# Altium PCB batt_ctrl_pcb_v2.3.PcbDoc (continued)
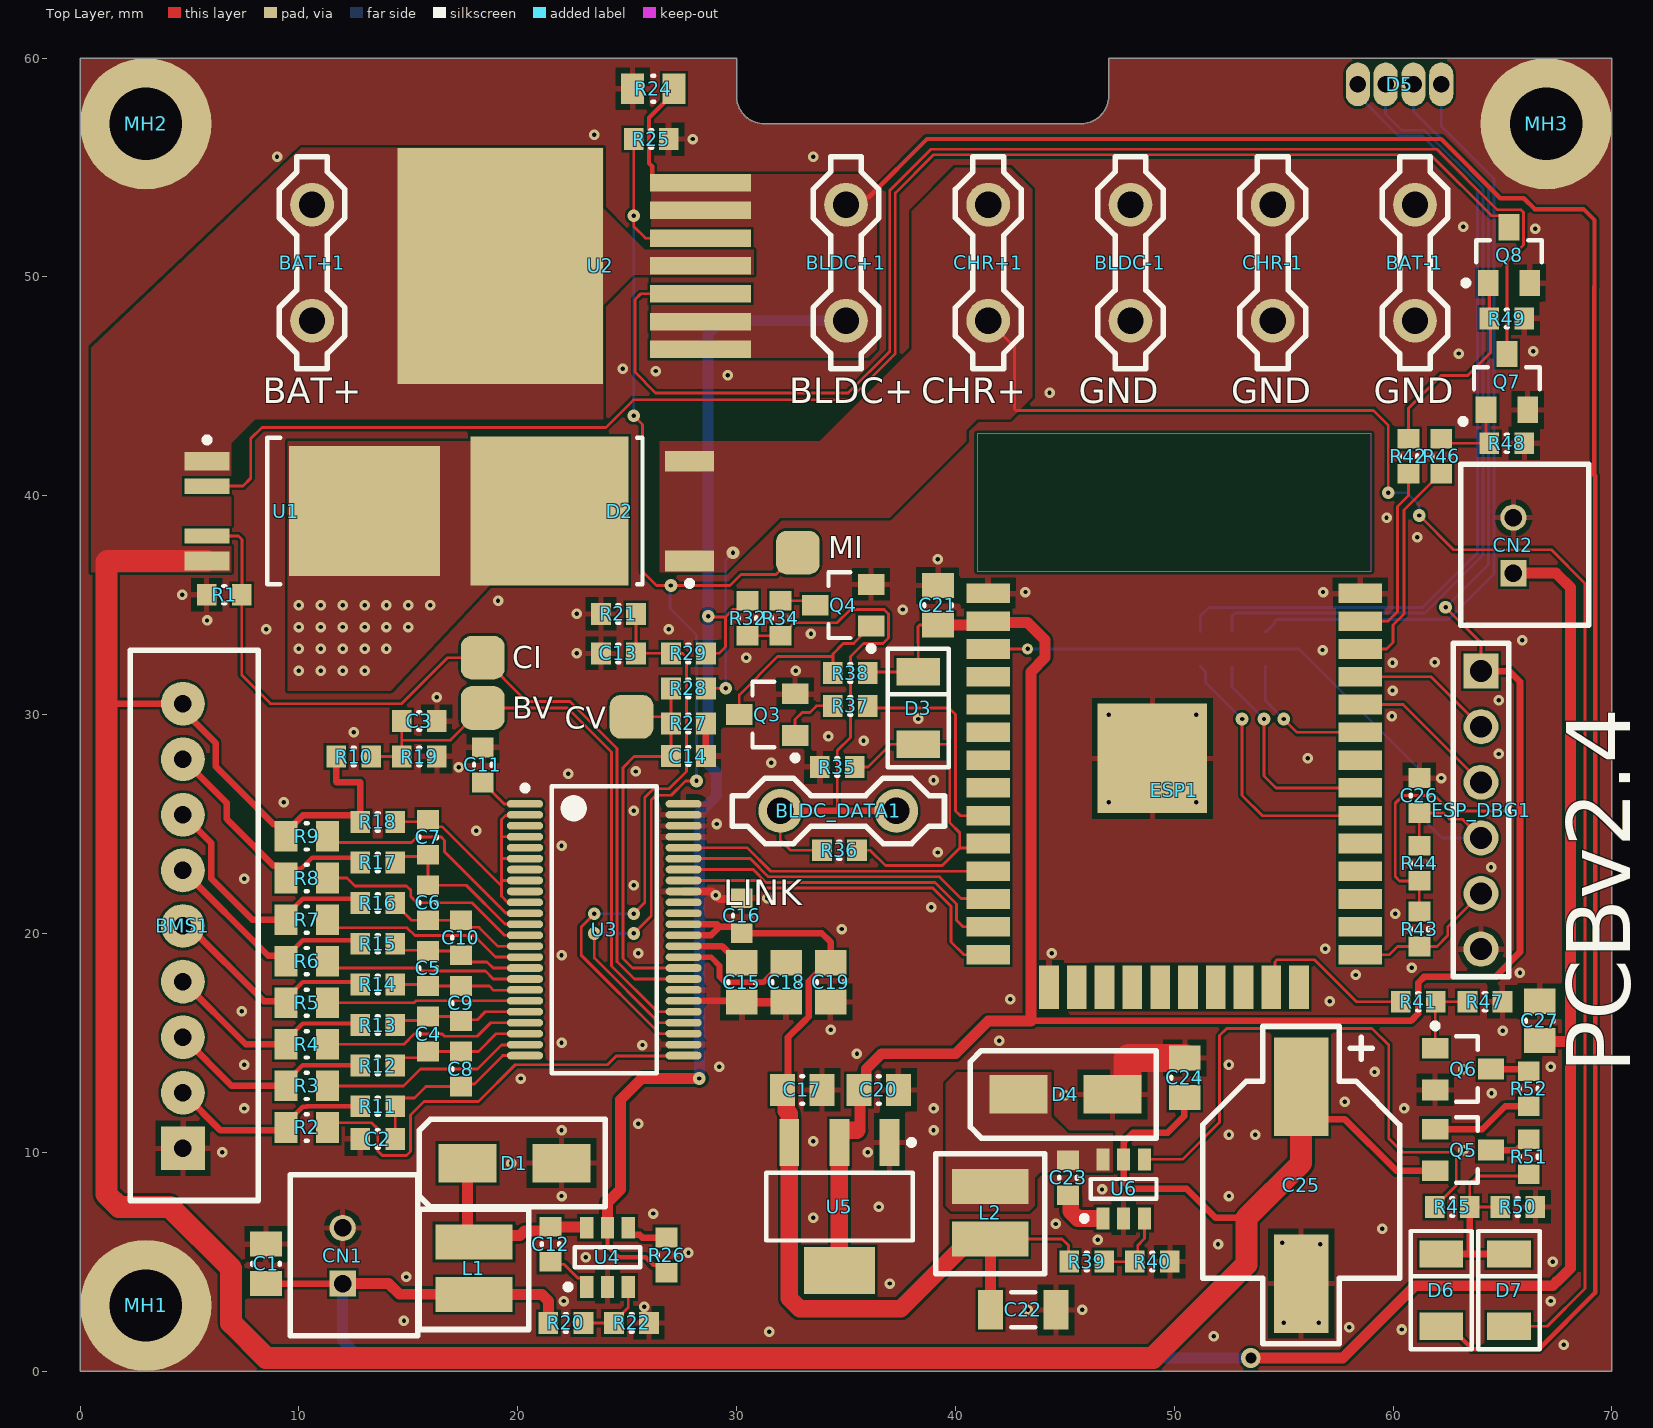
[diagram p0: Top Layer view]
## Footprints (in the part's own frame and the unit in brackets; to place one, negate y for a bottom-side part, rotate by r counter-clockwise, add the part's x,y. Pads: shape width x height; smd on the part's side, far side on the other; paste and mask are expansions set on the pad) (continued)
SMA [mm] "SMA Diode"
  rect 2.65x1.75 smd: A(0,0) K(4.3,0)
  silkscreen extent -2,-2 6.5,2, body extent -0.53,-1.46 4.75,1.46, height 2.41
SOD80 [mm] "Molded Diode, 2-Leads, Body 4,25x2,58mm, IPC Medium Density"
  rect 1.25x2 smd: 1(-1.651,0) 2(1.651,0)
  silkscreen extent -2.7,-1.4 2.7,1.4, body extent -1.84,-0.8 1.86,0.8, height 1.61
SOT23 [mm] "SOT23, 3-Leads, Body 2,90x2,80mm, Pitch 0,95mm, IPC Medium Density"
  rect 1.2x0.95 smd: 1(-1.275,0.95) 2(-1.275,-0.95) 3(1.275,0)
  silkscreen extent -1.4,-1.5 0.67,2.1, body extent -1.13,-1.5 1.13,1.5, height 1.25
SOT23-6 [mm] "SOT23, 6-Leads, Body 2,90x2,80mm, Pitch 0,95mm, IPC Medium Density"
  rect 1x0.6 smd: 1(-1.35,0.95) 2(-1.35,0) 3(-1.35,-0.95) 4(1.35,-0.95) 5(1.35,0) 6(1.35,0.95)
  silkscreen extent -1.47,-1.5 0.45,1.92, body extent -1.4,-1.45 1.4,1.45, height 1.45
SOT229P700X180-4N [mm] "SOT223, 4-Leads, Body 6,50x7,00mm (avg), Pitch 2,29mm, IPC Medium Density"
  rect 2.15x0.9 smd: 1(-2.93,2.29) 2(-2.93,0) 3(-2.93,-2.29)
  rect 2.15x3.25 smd: 4(2.93,0)
  silkscreen extent -3.05,-3.35 1.55,3.42, body extent -3.54,-3.25 3.54,3.25, height 1.65
SSOP48 [mm] "48-Lead Plastic SSOP (5.3mm)"
  oval 1.65x0.35 smd: 1(-3.625,5.75) 2(-3.625,5.25) 3(-3.625,4.75) 4(-3.625,4.25) 5(-3.625,3.75) 6(-3.625,3.25) 7(-3.625,2.75) 8(-3.625,2.25) 9(-3.625,1.75) 10(-3.625,1.25) 11(-3.625,0.75) 12(-3.625,0.25) 13(-3.625,-0.25) 14(-3.625,-0.75) 15(-3.625,-1.25) 16(-3.625,-1.75) 17(-3.625,-2.25) 18(-3.625,-2.75) 19(-3.625,-3.25) 20(-3.625,-3.75) 21(-3.625,-4.25) 22(-3.625,-4.75) 23(-3.625,-5.25) 24(-3.625,-5.75) 25(3.625,-5.75) 26(3.625,-5.25) 27(3.625,-4.75) 28(3.625,-4.25) 29(3.625,-3.75) 30(3.625,-3.25) 31(3.625,-2.75) 32(3.625,-2.25) 33(3.625,-1.75) 34(3.625,-1.25) 35(3.625,-0.75) 36(3.625,-0.25) 37(3.625,0.25) 38(3.625,0.75) 39(3.625,1.25) 40(3.625,1.75) 41(3.625,2.25) 42(3.625,2.75) 43(3.625,3.25) 44(3.625,3.75) 45(3.625,4.25) 46(3.625,4.75) 47(3.625,5.25) 48(3.625,5.75)
  silkscreen extent -3.75,-6.55 2.4,6.6, body extent -3.9,-6.55 3.9,6.55, height 2
"XH2.54 2P" [mm]
  rect 1.2x1.2 hole 0.8: 1(0,0)
  round 1.2 hole 0.8: 2(0,-2.54)
  silkscreen extent -3.44,-4.98 2.4,2.39, body extent -3.35,-4.88 2.49,2.34, height 7.21
"XH2.54 9P" [mm]
  rect 2x2 hole 0.8: 1(0,0)
  round 2 hole 0.8: 2(0,-2.54) 3(0,-5.08) 4(0,-7.62) 5(0,-10.16) 6(0,-12.7) 7(0,-15.24) 8(0,-17.78) 9(0,-20.32)
  silkscreen extent -3.44,-22.76 2.4,2.39, body extent -3.35,-22.66 2.49,2.34, height 7.21

## Part data
BAT+1 BAT-1 BLDC+1 BLDC-1 BLDC_DATA1 CHR+1 CHR-1: "Straight Mount Angle PCB Tab Terminal"
  BAT-1 BLDC-1 CHR-1: ClassName=DirectGND
BMS1: library part "PIN HEADER 2.54 1x9"
C1 C2 C3 C4 C5 C6 C7 C8 C9 C10 C11 C12 C13 C14 C15 C16 C17 C18 C19 C20 C21 C22 C23 C24 C26 C27: library part "Capacitor M", "Ceramic capacitor Medium density"
C25: library part "Capacitor Electrolitic", "Capacitor Electrolitic"
CN1 CN2: library part "PIN HEADER 2.54 1x2", "LIGHT_5V", Parameter 1=LIGHT_5V
D1 D4: "Surface Mount Schottky Barrier Rectifier", Supplier Part Number 1=05R5585, If (av)=1.0A, Ifsm=40A, Supplier 1=Newark, Vf="0.5 ~ 0.75V", Vrrm=40V
D2: library part STPS1045B, "Power schottky rectifier", I=10A, V=45V
D3 D6 D7: "Small Signal Fast Switching Diodes", Average forward current="150 mA", Diode capacitance="4 pF", Forward continuous current="300 mA", Peak forward surge current="2 A", Repetitive peak forward current="500 mA", Repetitive peak reverse voltage="100 V", Reverse voltage="75 V", Supplier Part Number 1=78-MCL4148, Reverse recovery time="4 ~ 8 ns", Supplier 1=Mouser
D5: library part "RGB led"
ESP1: library part ESP32S, "ESP32-WROOM-32 is a powerful, generic Wi-Fi+BT+BLE MCU module"
ESP_DBG1: library part "PIN HEADER 2.54 1x6"
L1 L2: library part Inductor
Q3 Q4 Q6 Q7 Q8: library part 2N3904, "NPN General Purpose Transistor", Collector Current - Continuous=200mA, Collector-Base Voltage=60V, Collector-Emitter Voltage=40V, DC Current Gain=300
Q5: library part 2N3906, "PNP General Purpose Transistor", Collector Current - Continuous=200mA, Collector-Base Voltage=-60V, Collector-Emitter Voltage=-40V, DC Current Gain=300
R1 R2 R3 R4 R5 R6 R7 R8 R9 R10 R11 R12 R13 R14 R15 R16 R17 R18 R19 R20 R21 R22 R24 R25 R26 R27 R28 R29 R32 R34 R35 R36 R37 R38 R39 R40 R41 R42 R43 R44 R45 R46 R47 R48 R49 R50 R51 R52 R53 R54 R55: library part "Resistor M", "Resistor Medium Density"
U1: "PROFET Smart Highside Power Switch, 1 Channel, 10 A Load Current, -40 to 150 degC, PG-TO252-5-11, Reel, Green", Load Current (typ)="10 A", Manufacturer=Infineon, Recommended Operating Voltage Max.="38 V", Recommended Operating Voltage Min.="5.5 V", Channels=1, ComponentLink1Description="Manufacturer URL", ComponentLink1URL=http://www.infineon.com/, ComponentLink2Description=Datasheet, ComponentLink2URL=http://www.infineon.com/dgdl/BTS6143D_DS_v10.pdf?folderId=db3a304314dca389011537739e37155f&fileId=db3a3043183a95550118606a2705368e&location=en.Products.Automotive_ICs.Smart_High-_and_Low-Side_Switches.PROFET__-_Smart_High_Side_Switches.DATASHEET.BTS6143D_D, ComponentLink3Description="Package Specification", ComponentLink3URL=http://www.infineon.com/dgdl/TLE7276-Data+Sheet-+v1_11.pdf?folderId=db3a304412b407950112b408e8c90004&fileId=db3a304412b407950112b436c53f66c8&sId=db3a30433db6f09f013dc0e43c0428c1, DatasheetVersion="Rev. 1.0", Green=TRUE, Group="Automotive Qualified", Halogen-free=TRUE, Mounting Technology="Surface Mount", PackageDescription="5-Pin Plastic (Green) Transistor Single Outline Package, 6.5 x 6.12 mm Body, 1.14 mm Pitch", PackageReference=PG-TO252-5-11, PackageVersion=Nov-10, Packing=Reel, PartNumber=BTS6143D, Ptot (max)="59 W", RON @ 25degreesC="10 mOhm", RON(max) @ 150degreesC="18 mOhm", toff (max)="500 us", ton (max)="500 us"
U2: library part BTS50085-1TMA, "Smart Highside High Current Power Switch", Current sense ratio=13000, Load current (ISO)=44A, On-state resistance="9 mOhm", Operating voltage="5.0 .. 58V", Overvoltage protection=70V, Short circuit current limitation=90A, Output clamp=62V
U3: "The LTC®6804 is a 3rd generation multicell battery stack / monitor that measures up to 12 series connected battery / cells with a total measurement error of less than 1.2mV. The / cell measurement range of 0V to 5V makes the LTC6804 / suitable for most battery chemistries. All 12 cell voltages / can be captured in 290µs, and lower data acquisition rates / can be selected for high noise reduction."
U4 U6: "The ME3116 is PWM DC/DC buck (step-down) regulators.", Frequency=550kHz, FB=0.8V, V in max=45V
U5: library part AMS1117, "800mA LDO  15V max"
MH1 MH2 MH3: ClassName=DirectGND

## Free pads (board coordinates)
  rrect50% 2x2 smd: ""(18.4,30.3) ""(18.4,32.6) ""(25.2,29.9) ""(32.8,37.4)

## Via types
v1: diameter 0.48, hole 0.2, Top Layer to Bottom Layer, 157 vias
v2: diameter 0.58, hole 0.2, Top Layer to Bottom Layer, 18 vias
v3: diameter 0.9, hole 0.5, Top Layer to Bottom Layer, 1 vias
v4: diameter 0.5, hole 0.2, Top Layer to Bottom Layer, 1 vias

## Nets (pads, with @x,y where several pads share a name; then routed paths per layer and width w, separated by ;. In a path a pad name is that pad's centre, name@x,y a point inside that pad or via, vN(x,y) a via of type N, cw(c..) or ccw(c..) an arc to the next point about the centre after c; other vN are vias at no path point)
+5V: C16.1 C17.1 C19.1 C22.1 L2.2 R39.2 U3.36 U3.37 U5.3 | length 44.8
  Top Layer w0.127: L2.2 44.872,6.04 45.162,5.75 45.162,5.038 R39.2
  Top Layer w0.3: U3.36 28.837,19.918 29.219,20.301
  Top Layer w0.305: U3.37 29.102,20.418 29.219,20.301 29.943,20.301 C16.1 33.892,20.008 34.3,19.6 C19.1 34.15,18.66 33.296,17.806 33.296,16.196 33.272,16.172 33.272,16.169 33.109,16.006 33.106,16.006 32.353,15.253 32.353,13.103 C17.1
  Top Layer w0.5: 37.5,2.85 37.5,3 ; L2.2 41.6,6.032 C22.1
  Top Layer w0.8: C17.1 32.275,12.675 32.275,11.902 32.408,11.77 32.408,10.402 32.41,10.4 32.41,3.319 32.879,2.85 37.5,2.85 40.242,5.592 40.242,5.64 40.642,6.04 L2.2
AN0: ESP1.4
AN1: ESP1.5
B\L\D\C\_\E\N\: Q7.3 U2.3 | length 64.3
  Top Layer w0.127: U2.3 25.62,49.23 25.353,48.962 25.353,45.647 26.3,44.7 35.1,44.7 37,46.6 37,53.945 38.892,55.836 62.008,55.836 64.779,53.065 65.854,53.065 65.966,52.954 65.966,51.596 65.965,51.466 65.2,50.7 Q7.3
BALLANCE_IN1: R2.2 U3.25 | length 20.5
  Top Layer w0.127: R2.2 11.518,11.35 13.325,11.35 13.6,11.075 13.6,10.057 13.807,9.85 14.921,9.85 15.1,10.029 15.1,11.7 15.723,12.323 18.211,12.323 19.888,14 24.1,14 24.5,14.4 27.563,14.4 U3.25
BALLANCE_IN2: R3.2 U3.23 | length 9.8
  Top Layer w0.127: R3.2 14.784,13.032 15.552,13.8 18.161,13.8 19.261,14.9 20.313,14.9 U3.23
BALLANCE_IN3: R4.2 U3.21 | length 9.5
  Top Layer w0.127: R4.2 14.789,14.932 15.257,15.4 16.55,15.4 16.65,15.3 18.15,15.3 18.768,15.918 U3.21
BALLANCE_IN4: R5.2 U3.19 | length 9.1
  Top Layer w0.127: R5.2 15.261,16.832 15.347,16.918 U3.19
BALLANCE_IN5: R6.2 U3.17 | length 9.4
  Top Layer w0.127: R6.2 11.611,18.421 15.408,18.421 15.552,18.277 18.523,18.277 18.882,17.918 U3.17
BALLANCE_IN6: R7.2 U3.15 | length 9.7
  Top Layer w0.127: R7.2 11.677,20.256 14.944,20.256 15.3,19.9 18,19.9 18.982,18.918 U3.15
BALLANCE_IN7: R8.2 U3.13 | length 10.3
  Top Layer w0.127: R8.2 12.201,22.532 12.561,22.173 14.922,22.173 15.108,21.987 15.108,21.682 15.391,21.4 17.909,21.4 19.391,19.918 U3.13
BALLANCE_IN8: R9.2 U3.11 | length 11
  Top Layer w0.127: R9.2 11.577,24.155 15.146,24.155 15.391,24.4 16.505,24.4 16.654,24.251 16.654,23.733 19.45,20.936 20.313,20.936 U3.11
BAT_SUP: BAT+1.1 BMS1.9 C11.1 C24.2 C25.+ Q5.2 R9.1 R10.2 R18.1 U1.1 U1.5 U2.4 U2.8 U3.1 U6.5 | length 148.5
  Top Layer w0.127: 12.8,26.897 12.803,26.9 ; C11.1 18.45,26.9 18.837,26.514 18.837,26.464 19.382,25.918 U3.1
  Top Layer w0.3: 1.2,30.2 1.5,30.5 BMS1.9 4.7,30.2 6.2,28.7 6.2,27.632 8.85,24.982 9.025,24.982 R9.1@9.4,24.607 ; R9.1 R9.1@9.4,24.607 ; R10.2 11.7,26.924 11.724,26.9 12.803,26.9 ; R18.1 R18.1@12.8,25.109 ; 12.8,26.897 R18.1@12.8,25.109 ; 27.2,0.634 27.234,0.6 ; 30.133,0.6 30.15,0.617 ; C24.2 50.456,12.48 50.456,11.656 49.7,10.9 48.128,10.9 47.688,10.46 U6.5 47.688,8.625 47.987,8.326 50.574,8.326 51.9,7 53.3,7 ; C25.+@55.8,12.3 56.6,11.5 57.8,11.5 60.15,9.15 Q5.2 ; R9.1@9.4,24.607 10.202,25.409 12.5,25.409 R18.1@12.8,25.109
  Top Layer w1: U1.5 1.244,37.02 1.2,36.976 1.2,30.2 1.2,8.086 1.786,7.5 4.1,7.5 6.9,4.7 6.9,2.2 8.5,0.6 27.234,0.6 30.133,0.6 49.025,0.6 53.3,4.875 53.3,7 55.8,9.5 55.8,12.3 C25.+ ; U2.8@15.2,46.5 U2.8
BATT_MEAS: C3.1 pad.@18.4,30.3 R10.1 R19.2 U3.29 | length 28.6
  Top Layer w0.127: R10.1 R19.2 14.7,28.83 ; C3.1@15.087,30.137 14.7,29.75 C3.1 14.7,28.83 ; U3.29 26.382,16.418 24.286,18.514 24.286,28.286 22.272,30.3 18.4,30.3 16.93,28.83 14.7,28.83
BLDC_EN: ESP1.36 R46.1 | length 10.3
  Top Layer w0.127: ESP1.36 59.7,33 60,33.3 60,34.1 60.5,34.6 60.5,39.35 62.15,41 R46.1
BLDC_I_MEAS: pad.@32.8,37.4 R25.2 U2.5 U3.28 | length 58.1
  Top Layer w0.127: v2@23.5,19.9 23.5,18.875 26.457,15.918 U3.28 ; v2(25.3,20) 26.1,20.8 26.1,26.1 26.316,26.316 27.016,26.316 27.668,26.968 v2(28.167,26.968) ; v2(25.3,43.651) 25.7,43.251 25.7,36.536 26.336,35.9 v2(27,35.9) 29.7,35.9 30.2,36.4 31.8,36.4 pad.@32.8,37.4 ; R25.2 v2(25.3,52.796) 25.3,52.3 25.83,51.77 U2.5
  Bottom Layer w0.127: v2(23.5,20) v2(25.3,20) ; v2(25.3,43.651) v2(25.3,52.796) ; v2(27,35.9) 26.957,35.857 26.957,34.843 28.167,33.633 v2(28.167,26.968)
BLDC_MEAS: C13.1 R21.2 R29.1 U3.27 | length 27.4
  Top Layer w0.127: v2(23.5,20.9) 22.9,20.3 22.9,19 26.482,15.418 U3.27 ; v2(25.3,20.9) 25.8,21.4 25.8,26.2 26.209,26.609 26.92,26.609 27.705,27.395 27.705,32.623 27.529,32.8 R29.1 C13.1 R21.2
  Bottom Layer w0.127: v2(23.5,20.9) v2(25.3,20.9)
BLDC_POS: BLDC+1.1 D6.1 R24.2 R26.2 R29.2 R32.2 U2.1 U2.2 U2.6 U2.7 U4.5 | length 161.1
  Top Layer w0.127: R29.2 29.2,32.8 29.496,33.096 29.496,34.46 ; v2(28.7,34.5) 28.74,34.46 29.496,34.46 ; R32.2 30.113,34.813 29.85,34.813 29.496,34.46
  Top Layer w0.2: U4.5 24.1,5.7 24.6,5.2 25.85,5.2 26.2,4.85 26.45,4.85 R26.2 ; R24.2 27.15,58.425 26,57.275 26,55.2 26.15,55.05 26.15,54.61 26.45,54.31 U2.7 ; BLDC+1.1@35,53.3 35.344,53.644 36.044,53.644 38.7,56.3 62.2,56.3 64.902,53.598 65.977,53.598 66.475,53.1 68.7,53.1 69.203,52.597 69.203,49.579 ccw(c69.4,49.546) 69.2,49.546 69.2,40.943 69.236,40.907 69.236,3.585 66.652,1 63.624,1 62.575,2.049 D6.1
  Top Layer w0.5: U4.5 24.1,7.7 24.7,8.3 24.7,12.4 25.668,13.368 v2(28.3,13.368)
  Bottom Layer w0.5: v2(28.3,13.368) 28.3,25.5 29.09,26.29 29.09,27.35 28.7,27.74 v2(28.7,34.5) 28.7,47.4 29.3,48 BLDC+1.1@35,48
BLUE_LED_C: D5.BC R55.1 | length 38.9
  Bottom Layer w0.127: R55.1 51.188,34.5 51.579,34.891 61.352,34.891 63.855,37.393 63.855,53.927 61.345,56.437 60.253,56.437 58.39,58.3 D5.BC
BLUE_LED_OD: ESP1.30 R55.2 | length 12.5
  Top Layer w0.127: v2(53.1,29.8) 53.1,26.3 54.02,25.38 ESP1.30
  Bottom Layer w0.127: R55.2 51.431,31.958 51.431,31.469 v2(53.1,29.8)
BOOT: ESP1.25 ESP_DBG1.5 R43.2 | length 6.9
  Top Layer w0.127: ESP1.25 59.83,19.03 60.2,19.4 R43.2 62,19.4 62.494,19.894 62.494,20.3 ESP_DBG1.5
BS_1: C12.1 U4.1 | length 2.2
  Top Layer w0.127: C12.1 21.616,4.884 22.116,4.884 22.742,4.258 22.914,4.258 23.15,4.021 U4.1
BS_2: C23.1 U6.1 | length 2.1
  Top Layer w0.762: C23.1 45.198,8.034 45.267,7.965 45.267,7.303 45.594,6.976 46.418,6.976
C1: BMS1.2 R2.1 R11.1 | length 9.4
  Top Layer w0.2: R2.1 9.4,11.307 10.175,12.082 10.35,12.082 10.368,12.1 R11.1
  Top Layer w0.3: BMS1.2 6.42,11 9.268,11 R2.1
C2: BMS1.3 R3.1 R12.1 | length 9.5
  Top Layer w0.2: R3.1 9.4,13.207 10.175,13.982 12.775,13.982 R12.1
  Top Layer w0.3: BMS1.3 6.928,13.032 R3.1
C3: BMS1.4 R4.1 R13.1 | length 9.8
  Top Layer w0.2: R4.1 9.4,15.107 10.175,15.882 12.732,15.882 R13.1
  Top Layer w0.3: BMS1.4 7.568,14.932 R4.1
C4: BMS1.5 R5.1 R14.1 | length 10.1
  Top Layer w0.2: R5.1 9.4,17.007 10.175,17.782 12.689,17.782 R14.1
  Top Layer w0.3: BMS1.5 4.96,20.34 8.4,16.9 9.332,16.9 R5.1
C5: BMS1.6 R6.1 R15.1 | length 10.3
  Top Layer w0.2: R6.1@9.4,18.907 10.175,19.682 12.646,19.682 R15.1
  Top Layer w0.3: BMS1.6 8.601,18.979 9.328,18.979 9.4,18.907 R6.1
C6: BMS1.7 R7.1 R16.1 | length 11.6
  Top Layer w0.2: R7.1 9.4,20.807 10.175,21.582 12.604,21.582 R16.1
  Top Layer w0.3: BMS1.7 6,24.12 6,22.5 7.868,20.632 R7.1
C7: BMS1.8 R8.1 R17.1 | length 11.4
  Top Layer w0.2: R8.1 9.4,22.54 9.825,22.965 10.108,22.965 10.602,23.459 12.584,23.459 R17.1
  Top Layer w0.3: BMS1.8 6.7,25.96 6.7,25.232 8.85,23.082 9.025,23.082 9.4,22.707 R8.1
CELL_INPUT1: C2.1 C8.2 R11.2 U3.24 | length 8.4
  Top Layer w0.127: C2.1 R11.2 14.4,12.15 14.723,12.473 15.273,12.473 15.8,13 C8.2 17.516,13.116 18.016,13.116 19.318,14.418 U3.24
CELL_INPUT2: C4.2 C8.1 R12.2 U3.22 | length 6.6
  Top Layer w0.127: R12.2 14.4,13.997 14.723,14.32 15.62,14.32 C4.2 C8.1 18.2,14.6 19.018,15.418 U3.22
CELL_INPUT3: C4.1 C9.2 R13.2 U3.20 | length 6.3
  Top Layer w0.127: R13.2 14.61,16.024 15.724,16.024 C4.1 17.2,16.2 C9.2 17.452,16.052 18.15,16.052 18.516,16.418 U3.20
CELL_INPUT4: C5.2 C9.1 R14.2 U3.18 | length 6.1
  Top Layer w0.127: R14.2 15.829,17.671 C5.2 C9.1 18.7,17.6 18.9,17.4 20.313,17.4 U3.18
CELL_INPUT5: C5.1 C10.2 R15.2 U3.16 | length 6.4
  Top Layer w0.127: R15.2 14.7,19.228 15.871,19.228 C5.1 17.2,19.2 17.7,18.7 18.601,18.7 18.883,18.418 U3.16
CELL_INPUT6: C6.2 C10.1 R16.2 U3.14 | length 6.8
  Top Layer w0.127: R16.2 14.4,21.336 15.136,20.6 C6.2 C10.1 17.723,20.277 18.223,20.277 19.082,19.418 U3.14
CELL_INPUT7: C6.1 C7.2 R17.2 U3.12 | length 8.2
  Top Layer w0.127: R17.2 14.723,23.511 15.527,23.511 C7.2 C6.1 17.648,22.2 19.412,20.436 20.313,20.436 U3.12
CELL_INPUT8: C7.1 R18.2 U3.2 U3.4 U3.6 U3.8 U3.10 | length 15.2
  Top Layer w0.127: R18.2 15.8,25.1 C7.1 16.223,24.877 16.54,24.877 19.256,22.161 ; U3.10 20.313,21.436 19.522,21.436 19.256,21.703 19.256,22.161 ; U3.8 19.256,22.418 ; U3.6 19.256,23.418 ; U3.4 19.256,24.418 ; U3.2 20.303,25.39 19.446,25.39 19.256,25.199 19.256,24.418 ; 19.256,22.161 19.256,22.418 ; 19.256,22.418 19.256,23.418 ; 19.256,23.418 19.256,24.418
CHR_EN: ESP1.37 R42.1 | length 8.4
  Top Layer w0.127: ESP1.37 59.77,34.27 60.2,34.7 60.2,39.511 60.7,40.011 R42.1
CHR_I_MEAS: pad.@18.4,32.6 R1.2 U1.4 U3.32 | length 41.3
  Top Layer w0.127: U1.4 7.24,38.16 7.4,38 7.4,35.49 R1.2 7.385,31.815 8.7,30.5 14.7,30.5 16.8,32.6 18.4,32.6 20.397,30.603 22.393,30.603 24.54,28.456 24.54,18.71 25.332,17.918 U3.32
CHR_MEAS: C14.1 pad.@25.2,29.9 R27.2 R28.1 U3.33 | length 18.5
  Top Layer w0.127: pad.@25.2,29.9 R27.2@26.55,29.9 ; R28.1 27,30.35 R27.2 C14.1 26.981,28.081 25.319,28.081 24.808,27.571 24.808,18.852 25.242,18.418 U3.33
CHR_POS: CHR+1.1 D2.1 D2.3 D7.1 R28.2 | length 79.6
  Top Layer w0.127: R28.2 v2(29.5,31.2) ; CHR+1.1@41.5,48 42.7,46.8 42.7,43.974 42.774,43.9 59.1,43.9 59.783,43.217 v2(59.783,40.133) ; v2(61.2,39.1) 62.766,37.534 67.234,37.534 68.773,35.995 68.773,3.777 67.045,2.049 D7.1
  Bottom Layer w0.127: v2(29.5,31.2) 29.5,37.055 29.834,37.389 v2(29.834,37.4) ; v2(59.783,40.133) 60.64,40.133 61.2,39.573 v2(61.2,39.1)
CHR_SUP: D2.2 U1.3
  other v1: 10,32 11,32 12,32 13,32 10,33 11,33 12,33 13,33 14,33 10,34 11,34 12,34 13,34 14,34 15,34 10,35 11,35 12,35 13,35 14,35 15,35 16,35
COM_EN: D6.2 D7.2 R45.2 R50.1 R51.1 | length 10.8
  Top Layer w0.127: R50.1 R45.2 63.5,8.538 63.875,8.913 66.112,8.913 R51.1
  Top Layer w0.3: D6.2@62.063,5.214 D6.2 63.6,5.351 ; R45.2 63.5,5.451 63.6,5.351 ; D7.2 63.6,5.351
DATABUS: BLDC_DATA1.1 R32.1 R34.2 R36.2 | length 26.3
  Top Layer w0.127: R32.1 R34.2 32.05,33.6 32.65,34.2 34.6,34.2 35.2,34.8 36.744,34.8 36.941,34.604 36.941,33.496 36.694,33.25 35.8,33.25 35.2,32.65 35.2,28.95 34.6,28.35 34.6,25.65 34.65,25.6 ; BLDC_DATA1.1@32,25.6 32,24.268 32.468,23.8 R36.2
  Top Layer w0.3: BLDC_DATA1.1@32,25.6 34.65,25.6 BLDC_DATA1.1@37.3,25.6
DCDC_EN: ESP1.23 R41.1 | length 7.8
  Top Layer w0.127: ESP1.23 54.6,17.705 54.6,18.7 54.7,18.8 56.4,18.8 58.324,16.876 R41.1
DTR: C26.1 ESP1.3 ESP_DBG1.4 R44.2 | length 32.1
  Top Layer w0.127: ESP1.3 v4(43.3,33) ; R44.2 C26.1 62.3,25.5 62.58,25.22 63.162,25.22 ESP_DBG1.4
  Bottom Layer w0.127: v4(43.3,33) 55.7,33 61.3,27.4 61.3,25.3 62.236,24.364 ESP_DBG1.4
EN_1: R26.1 U4.4 | length 2
  Top Layer w0.3: U4.4 25.05,6.382 25.2,6.232 25.568,6.232 25.7,6.1 R26.1
EN_2: R45.1 U6.4 | length 26.7
  Top Layer w0.127: U6.4 50.376,9.676 52.069,11.369 52.069,15.329 52.4,15.659 59.041,15.659 59.8,14.9 59.8,10.631 60.431,10 62.664,10 62.889,9.776 62.889,8.489 62.336,7.937 62.287,7.937 61.9,7.55 R45.1
FB_1: R20.1 R22.2 U4.3 | length 3.3
  Top Layer w0.127: R20.1 R22.2 24.4,2.25 25.05,2.9 U4.3
FB_2: R39.1 R40.2 U6.3 | length 3.6
  Top Layer w0.127: R39.1 R40.2 48.335,5.135 48.335,5.75 48.638,6.053 U6.3
GND: BAT-1.1 BLDC-1.1 BMS1.1 C1.2 C2.2 C3.2 C11.2 C13.2 C14.2 C15.2 C16.2 C17.2 C18.2 C19.2 C20.2 C21.2 C22.2 C24.1 C25.- C26.2 C27.2 CHR-1.1 CN1.2 CN2.2 D1.A D4.A ESP1.1 ESP1.15 ESP1.38 ESP1.39 ESP_DBG1.6 MH1.1 MH2.1 MH3.1 Q3.2 Q4.2 Q6.2 Q7.2 Q8.2 R1.1 R19.1 R21.1 R22.1 R24.1 R25.1 R27.1 R35.1 R40.1 R47.1 R48.1 R49.1 R50.2 U3.26 U3.30 U3.31 U3.40 U3.45 U3.46 U3.47 U3.48 U4.2 U5.1 U6.2 | length 14.6
  Top Layer w0.3: v1(25.789,2.936) 25.789,2.411 R22.1 ; U3.30 C15.2@30.178,16.918 ; C14.2 R27.1
  Top Layer w0.381: U3.40 28.872,21.918 29.22,21.57 30.198,21.57 C16.2 ; C15.2@30.178,16.918 C15.2 C18.2
  Top Layer w1.27: D4.A 47.63,12.644 47.87,12.884 47.87,14.252 47.924,14.306 C24.1
  other v1: 67.8,1.2 51.8,1.6 31.5,1.8 60.4,1.9 58,2 55,2.2 56.6,2.2 14.8,2.3 43.314,2.8 45.8,2.8 22.1,3.2 67.2,3.2 37,4 14.9,4.3 67.3,5 23.1,5.2 27.8,5.4 52,5.8 56.667,5.8 54.933,5.859 46.5,6 59.5,6.5 44.585,6.721 33.5,7 26.2,7.2 36.5,7.5 22,8 52.5,8 46.7,8.3 19.7,9.5 6.5,10 36,10 63.2,10.1 33.5,10.5 52.5,10.8 53.7,10.8 22,11 39,11 25.5,11.3 7.5,12 39,12 60.5,12 57.8,12.3 45,12.6 64.5,12.7 20.14,13.368 59.152,13.668 63.2,13.8 29.2,13.9 67.2,13.9 7.5,14 52.5,14 35.5,14.5 25.7,14.9 22,15 42,15.1 65.018,15.55 34.3,15.6 7.386,16.443 57.1,16.9 42.5,17 58.3,18.1 65.8,18.2 60.85,18.425 22,19 25.5,19.1 44.4,19.1 56.9,19.3 34.8,20.2 60.1,20.9 38.9,21.2 31.4,21.6 29.046,21.744 25.3,22.2 7.5,22.5 64.475,23.025 39.2,23.7 22,24 18.1,24.7 29.1,25 25.3,25.6 9.3,26 47,26 51,26 39,27 62.2,27.1 22.3,27.3 25.4,27.4 17.3,27.59 31.589,27.801 56.1,28 64.825,28.2 35.8,28.8 34.2,29 12.5,29.2 38.3,29.8 59.95,29.925 47,30 51,30 64.825,30.65 16.3,30.8 59.975,31.1 32.7,32 59.975,32.375 61.9,32.4 30.438,32.6 22.7,32.8 56.775,32.95 65.9,33.4 33.4,33.7 8.5,33.9 26.895,33.9 5.8,34.3 22.7,34.6 37.6,34.8 19.1,35.2 4.672,35.475 43.2,35.6 56.8,35.6 39.2,37.1 61.1,38.1 59.7,39 44.3,44.7 29.6,45.5 26.3,45.7 24.8,45.8 63,46.5 66.4,46.6 66.5,52.2 63.2,52.3 9,55.5 33.5,55.5 28,56.3 23.5,56.5
GRED_LED_OD: ESP1.31 R54.2 | length 10.2
  Top Layer w0.127: v2(54.1,29.8) 54.1,27.2 54.65,26.65 ESP1.31
  Bottom Layer w0.127: R54.2 52.64,31.26 v2(54.1,29.8)
GREEN_LED_C: D5.GC R54.1 | length 37.3
  Bottom Layer w0.127: R54.1 52.64,34.5 52.777,34.637 61.457,34.637 64.109,37.288 64.109,54.032 61.441,56.7 60.4,56.7 59.66,57.44 D5.GC
I34: ESP1.6
I35: ESP1.7
IO2: ESP1.24
IO4: ESP1.26
IO5: ESP1.29
IO6: ESP1.20
IO7: ESP1.21
IO8: ESP1.22
IO9: ESP1.17
IO10: ESP1.18
IO11: ESP1.19
IO13: ESP1.16
IO16: ESP1.27
IO17: ESP1.28
IO32: ESP1.8
LIGHT_5V: C1.1 C27.1 CN1.1 CN2.1 L1.2 R20.2 | length 110.3
  Top Layer w0.3: C1.1 CN1.1
  Top Layer w0.5: CN1.1 14.1,4 14.591,3.509 17.991,3.509 L1.2 21.1,3.5 21.4,3.2 R20.2 ; v3(53.5,0.6) 57.7,0.6 61,3.9 67.292,3.9 67.477,4.085 67.485,4.085 68.1,4.7 68.1,15.069 ; CN2.1 67.44,36.46 68.1,35.8 68.1,15.069 ; C27.1 66.731,15.069 68.1,15.069
  Bottom Layer w0.5: CN1.1 12,1.404 12.804,0.6 v3(53.5,0.6)
NetQ5_1: Q5.1 R52.1 | length 4.7
  Top Layer w0.3: Q5.1 64.073,11.05 65.123,12.1 R52.1
NetQ5_3: Q5.3 R51.2 | length 1.9
  Top Layer w0.3: Q5.3 65.65,10.1 66.15,10.6 R51.2
NetQ6_1: Q6.1 R41.2 R47.2 | length 3.6
  Top Layer w0.127: Q6.1 61.925,16.851 R41.2 R47.2
NetQ6_3: Q6.3 R52.2 | length 1.8
  Top Layer w0.3: Q6.3 66.1,13.8 R52.2
NetQ7_1: Q7.1 R46.2 R48.2 | length 3.9
  Top Layer w0.127: R46.2 62.4,42.4 R48.2 64.25,42.55 Q7.1
NetQ8_1: Q8.1 R42.2 R49.2 | length 9.5
  Top Layer w0.127: R42.2 60.7,44 62.2,45.5 63.413,45.5 64.45,46.537 64.45,48.05 R49.2 64.4,49.675 Q8.1 ; Q8.1@64.7,49.625 Q8.1@64.7,49.7
NetQ8_3: Q8.3 U1.2 | length 72.4
  Top Layer w0.127: U1.2 7.44,40.44 7.8,40.8 7.8,42.614 8.311,43.125 24.025,43.125 25.283,44.383 35.142,44.383 37.254,46.495 37.254,53.839 38.997,55.582 61.718,55.582 64.5,52.8 65.075,52.8 Q8.3@65.3,52.575
RED_LED_C: D5.RC R53.1 | length 35
  Bottom Layer w0.127: R53.1 54.21,33.8 54.596,34.187 54.596,34.276 54.671,34.35 62.53,34.35 64.617,36.437 64.617,54.483 62.2,56.9 D5.RC
RED_LED_OD: ESP1.33 R53.2 | length 6.5
  Top Layer w0.127: v2(55,29.8) 55.61,29.19 ESP1.33
  Bottom Layer w0.127: R53.2 54.16,30.64 v2(55,29.8)
RX: D3.1 ESP1.10 R35.2 R36.1 | length 16.4
  Top Layer w0.127: R35.2 36,27.6 37.049,28.649 D3.1 39.622,28.649 39.746,28.525 39.746,25.054 40.2,24.6 40.2,23.9 ; R36.1 36.1,23.8 36.8,23.1 39.4,23.1 40.2,23.9 ; ESP1.10 41.29,23.9 40.2,23.9
RXD: ESP1.35 ESP_DBG1.2 | length 6.5
  Top Layer w0.127: ESP1.35 61.732,31.73 ESP_DBG1.2
SPI_CS0: ESP1.14 U3.41 | length 16.3
  Top Layer w0.127: U3.41 30.904,22.418 31.244,22.078 38.963,22.078 39.8,21.241 39.8,19.611 40.381,19.03 ESP1.14
SPI_MISO: ESP1.11 U3.44 | length 14.4
  Top Layer w0.127: U3.44 30.482,23.918 31.56,22.84 ESP1.11
SPI_MOSI: ESP1.12 U3.43 | length 14.7
  Top Layer w0.127: U3.43 30.623,23.418 31.455,22.586 39.27,22.586 40.256,21.6 41.47,21.6 ESP1.12
SPI_MSCK: ESP1.13 U3.42 | length 15.4
  Top Layer w0.127: U3.42 30.764,22.918 31.35,22.332 39.068,22.332 40.054,21.346 40.054,20.604 40.358,20.3 ESP1.13
SW_1: C12.2 D1.K L1.1 U4.6 | length 9.2
  Top Layer w0.5: D1.K 17.7,6.2 L1.1 18.3,6.2 20.1,6.2 20.3,6.4 21.3,6.4 C12.2 21.525,6.575 23.125,6.575 U4.6
SW_2: C23.2 D4.K L2.1 U6.6
T\X\: Q3.3 Q4.1 R38.1 | length 9.1
  Top Layer w0.127: Q3.3 30.125,30.901 31.874,32.65 34.4,32.65 ; R38.1 34.4,32.65 ; Q4.1 35.35,33.25 34.875,33.25 34.4,32.775 34.4,32.65
T\X\C: Q4.3 R34.1 | length 1.7
  Top Layer w0.127: R34.1 33.4,35.2 Q4.3
TX: ESP1.9 R37.1 | length 10.2
  Top Layer w0.127: R37.1 36.1,30.3 39.7,30.3 40,30 40,25.6 40.22,25.38 ESP1.9
TXB: Q3.1 R37.2 | length 2.7
  Top Layer w0.127: Q3.1 32.675,29.775 33,30.1 33.357,30.1 33.657,30.4 R37.2
TXD: ESP1.34 ESP_DBG1.3 | length 7
  Top Layer w0.127: ESP1.34 60.462,30.46 ESP_DBG1.3
VCC: C20.1 C21.1 D3.2 D5.CA ESP1.2 ESP_DBG1.1 R38.2 R43.1 R44.1 U5.2 U5.4 | length 127.7
  Top Layer w0.127: R38.2 36.051,31.951 D3.2 38.3,33.266 38.293,33.272 38.293,34.026 38.368,34.1 C21.1 ; R43.1 R44.1 60.3,22.4 60.1,22.6 60.1,25.95 60.45,26.3 61.9,26.3 62.6,25.6 65.78,25.6 65.8,25.58 ; v2(62.4,34.9) 64.018,33.282 ESP_DBG1.1
  Top Layer w0.3: ESP1.2@41.33,34.1 41.43,34.2 ESP1.2 ; 43.448,16 60.816,16 61.15,16.334 61.15,17.75 61.414,18.014 64.668,18.014 65.8,19.146 65.8,25.58 65.8,31.5 65.316,31.984 ESP_DBG1.1
  Top Layer w0.5: 35.5,11 35.63,11.13 C20.1@35.63,12.88 ; C20.1 C20.1@35.63,12.88 ; C20.1@35.63,13.03 C20.1@35.63,12.88 ; C21.1 ESP1.2@41.33,34.1 ; ESP1.2@41.43,34.2 43.3,34.2 44.1,33.4 44.1,32.6 43.448,31.948 43.448,16 ; 43.4,16 41.5,16 40,14.5 36.62,14.5 35.925,13.805 35.925,13.175 C20.1@35.63,12.88
  Top Layer w0.8: U5.4 U5.2 34.7,10.95 34.75,11 35.5,11
  Bottom Layer w0.127: D5.CA 60.93,57.57 64.363,54.137 64.363,36.863 v2(62.4,34.9)
VREF1: C15.1 U3.35 | length 3.5
  Top Layer w0.305: U3.35 29.328,19.418 30.086,18.66 C15.1
  Top Layer w0.381: C15.1@29.852,19.044 C15.1
VREF2: C18.1 U3.34 | length 5.8
  Top Layer w0.254: U3.34 28.824,18.918 29.22,18.522 29.22,18.014 29.474,17.76 31.218,17.76 32.118,18.66 C18.1
pads on no net: ESP1.32 U3.3 U3.5 U3.7 U3.9 U3.38 U3.39

## Polygon pours and split planes (outlines as drawn)
GND on Top Layer "TOP_GND" (solid, remove dead copper, pour order 11): 0,0 0,60 30,60 30,58.27 ccw(c31.27,58.27) 31.27,57 45.73,57 ccw(c45.73,58.27) 47,58.27 47,60 70,60 70,0
CHR_SUP on Top Layer "CHR_POS_SUP2" (solid, pour order 10): 9.5,42.5 25,42.5 25,35.998 24.952,35.95 24.927,35.975 18.775,35.95 14.2,31.1 9.5,31.1
CHR_POS on Top Layer "CHR_POS_SUP" (solid, pour order 8): 26.5,36.5 26.5,42.5 33.8,42.5 38,46.7 38,53 40,55 42.5,55 43.5,54 43.5,44.5 42.5,43.5 41,43.5 40.5,43 40.5,42.5 37,39 32,39 29.5,36.5
BAT_SUP on Top Layer "BATT_POS" (solid, pour order 5): 23.9,48.7 25.3,50.1 30.777,50.1 30.777,51.243 25.8,51.243 23.9,53.143 23.9,55.9 10.1,55.9 0.5,46.772 0.5,36.5 6.9,36.5 6.9,42.4 8,43.5 23.9,43.5 23.9,45.1
BLDC_POS on Top Layer "BLDC_POS" (solid, remove dead copper, pour order 7): 26.1,54.7 35.8,54.7 36.5,54 36.4,53.9 36.4,46.7 36,46.3 26.1,46.3
SW_2 on Top Layer "SW" (solid, remove dead copper, pour order 0): 47.18,9.088 47.18,10.866 45.148,10.866 44.386,11.628 44.386,13.66 40.068,13.66 39.56,13.152 39.56,7.564 39.814,7.31 43.37,7.31 43.624,7.564 43.624,8.834 43.878,9.088 46.164,9.088
GND on Bottom Layer "BOT_GND" (solid, remove dead copper, pour order 9): 0,0 0,60 30,60 30,58.27 ccw(c31.27,58.27) 31.27,57 45.73,57 ccw(c45.73,58.27) 47,58.27 47,60 70,60 70,0
CHR_SUP on Bottom Layer "CHR_POS_SUP2_BTN" (solid, pour order 4): 9.502,36.521 0.693,36.521 0.693,52.8 8.541,52.8 8.541,45.2 12.7,45.2 12.7,56 23.298,56 23.305,42.521 25.02,42.521 25.02,36.019 24.972,35.971 24.947,35.996 18.795,35.971 14.22,31.121 9.52,31.121

## Silkscreen, mask and mechanical layers (free items; w line width, h text height)
Top Overlay:
  text "BAT+" at 8.355,43.838 h2
  text "BLDC+" at 32.408,43.838 h2
  text "CHR+" at 38.442,43.838 h2
  text "GND" at 45.635,43.838 h2
  text "GND" at 52.609,43.838 h2
  text "GND" at 59.109,43.838 h2
  text "MI" at 34.193,37.154 h1
  text "CI" at 19.745,32.109 h1
  text "BV" at 19.745,29.809 h1
  text "CV" at 22.154,29.354 h1
  text "LINK" at 29.401,20.902 h2
  text "PCBv2.4" at 71.8,13.6 h5 r90
Bottom Overlay:
  text "+" at 61.446,56.1 h1.52
  text "VCC" at 69.627,31.388 h1.6
  text "RXD" at 69.159,28.848 h1.6
  text "TXD" at 69.08,26.33 h1.6
  text "RESET" at 70.202,23.768 h1.6
  text "BOOT" at 69.759,21.228 h1.6
  text "GND" at 69.759,18.688 h1.6
Outline:
  lines w0.254: 0,0 70,0 70,60 47,60 47,59 47,58.27 cw(c45.73,58.27) 45.73,57 31.27,57 cw(c31.27,58.27) 30,58.27 30,59 30,60 0,60 0,0